# Allegro board SG2042_EVB_V2_0.brd (continued)
## Routing (per net, layer and track width the routed paths; a pad name or vN(x,y) marks a point on that pad's centre or on a via; arc(x,y) is an arc through that point) (continued)
  TOP w0.173: U1.F9 v1(96.75,244.05)
  ART10 w0.135: v1(96.75,244.05) 97.25,244.55 97.25,247.33 94.04,250.54 78.01,250.54 77.87,250.41 77.87,249.75 77.74,249.61 77.32,249.61 77.19,249.75 77.19,250.41 77.05,250.54 76.64,250.54 76.5,250.41 76.5,249.75 76.37,249.61 75.95,249.61 75.81,249.75 75.81,250.41 75.68,250.54 75.26,250.54 75.13,250.41 75.13,249.75 74.99,249.61 74.58,249.61 74.44,249.75 74.44,250.41 74.31,250.54 73.89,250.54 73.76,250.41 73.76,249.75 73.62,249.61 73.21,249.61 73.07,249.75 73.07,250.41 72.94,250.54 72.52,250.54 72.39,250.41 72.39,249.75 72.25,249.61 71.83,249.61 71.7,249.75 71.7,250.41 71.57,250.54 70.29,250.54 67.05,253.78 J4.181
DDR3_DQ30: length 45.3
  TOP w0.173: U1.E8 v1(95.75,245.05)
  ART12 w0.135: J4.43 62.47,248.68 arc(63.02,248.57) 63.48,248.26 63.55,248.19 arc(63.95,247.92) 64.42,247.83 64.45,247.83 arc(64.92,247.92) 65.32,248.19 65.59,248.45 arc(65.84,248.62) 66.13,248.67 67.15,248.67 69.68,246.15 78.99,246.15 79.13,246.01 79.13,245.22 79.26,245.08 79.68,245.08 79.81,245.22 79.81,246.01 79.95,246.15 80.36,246.15 80.5,246.01 80.5,245.22 80.63,245.08 81.05,245.08 81.18,245.22 81.18,246.01 81.32,246.15 81.73,246.15 81.87,246.01 81.87,245.22 82,245.08 82.42,245.08 82.55,245.22 82.55,246.01 82.69,246.15 91.37,246.15 92.25,245.27 92.25,244.83 92.53,244.55 92.99,244.55 93.25,244.29 93.25,243.83 93.53,243.55 94.96,243.55 95.25,243.84 95.25,244.55 v1(95.75,245.05)
DDR3_DQ31: length 46.4
  TOP w0.173: U1.E9 v1(96.75,245.05)
  ART12 w0.135: v1(96.75,245.05) 96.25,244.55 96.25,242.83 95.97,242.55 92.53,242.55 92.25,242.83 92.25,243.28 91.98,243.55 91.25,243.55 90.5,244.3 78.3,244.3 78.16,244.43 78.16,245.38 78.03,245.52 77.61,245.52 77.48,245.38 77.48,244.43 77.34,244.3 76.93,244.3 76.79,244.43 76.79,245.38 76.66,245.52 76.24,245.52 76.11,245.38 76.11,244.43 75.97,244.3 75.55,244.3 75.42,244.43 75.42,245.38 75.28,245.52 74.87,245.52 74.73,245.38 74.73,244.43 74.6,244.3 74.18,244.3 74.05,244.43 74.05,245.38 73.91,245.52 73.5,245.52 73.36,245.38 73.36,244.43 73.23,244.3 72.81,244.3 72.68,244.43 72.68,245.38 72.54,245.52 72.13,245.52 71.99,245.38 71.99,244.43 71.86,244.3 70.61,244.3 67.08,247.83 J4.188
DDR3_DQ32: length 58.3
  TOP w0.173: U1.T1 88.39,234.41 83.45,234.41 75.32,226.28 75.32,207.71 70.09,202.48 70.09,201.28 69.64,200.83 69.39,200.83 69.11,201.12 68.86,201.12 68.56,200.81 68.56,200.57 68.84,200.28 68.84,200.04 68.54,199.73 68.3,199.73 68.01,200.02 67.76,200.02 67.46,199.71 67.46,199.47 67.75,199.18 67.75,198.94 66.53,197.72 66.12,197.72 arc(65.79,197.79) 65.51,197.97 65.32,198.17 arc(64.92,198.43) 64.45,198.52 64.42,198.52 arc(63.95,198.43) 63.55,198.17 63.47,198.09 arc(63.02,197.78) 62.48,197.67 J4.97
DDR3_DQ33: length 58.4
  TOP w0.173: U1.U1 88.17,233.63 83.77,233.63 76.1,225.96 76.1,205.72 75.55,205.17 75.3,205.17 74.71,205.76 74.47,205.76 74.16,205.46 74.16,205.21 74.75,204.62 74.75,204.38 74.45,204.07 74.2,204.07 73.61,204.66 73.37,204.66 73.06,204.36 73.06,204.11 73.65,203.52 73.65,203.28 73.35,202.97 73.1,202.97 72.51,203.56 72.27,203.56 71.97,203.26 71.97,203.01 72.56,202.42 72.56,202.18 72.25,201.87 72.01,201.87 71.42,202.46 71.17,202.46 70.87,202.16 70.87,201.91 71.46,201.32 71.46,201.08 67.51,197.14 66.94,197.14 arc(66.84,197.13) 66.74,197.12 arc(66.44,197.01) J4.242
DDR3_DQ34: length 63.6
  TOP w0.173: U1.T2 v1(89.75,234.05)
  ART03 w0.15: v1(89.75,234.05) 92.25,231.55 92.25,229.84 91.96,229.55 89.56,229.55 89.1,229.08 88.37,229.08 88.24,229.21 83.92,229.21 79.32,224.61 79.32,204.05 67.84,192.57 66.25,192.57 arc(65.84,192.49) 65.5,192.26 65.38,192.14 arc(64.92,191.83) 64.38,191.73 J4.104
DDR3_DQ35: length 63.4
  TOP w0.173: U1.T4 v1(91.75,234.05)
  ART03 w0.15: J4.249 67.08,190.88 79.98,203.78 79.98,224.34 84.19,228.55 92.97,228.55 93.25,228.84 93.25,233.27 92.97,233.55 U1.T4 v1(91.75,234.05)
DDR3_DQ36: length 62.7
  TOP w0.173: U1.W4 v1(91.75,230.05)
  ART03 w0.15: v1(91.75,230.05) 91.25,230.55 89.65,230.55 89.14,231.06 88.06,231.06 87.82,230.82 80.46,230.82 75.75,226.12 75.75,206.63 73.07,203.95 72.86,203.95 72.46,204.35 72.24,204.35 71.94,204.05 71.94,203.84 72.34,203.43 72.34,203.22 72.04,202.92 71.83,202.92 71.43,203.32 71.22,203.32 70.91,203.02 70.91,202.81 71.32,202.4 71.32,202.19 71.01,201.89 70.8,201.89 70.4,202.29 70.19,202.29 69.88,201.99 69.88,201.78 70.29,201.37 70.29,201.16 69.98,200.86 69.77,200.86 69.37,201.26 69.16,201.26 68.85,200.96 68.85,200.75 69.26,200.34 69.26,200.13 68.5,199.38 66.3,199.38 arc(65.85,199.47) 65.46,199.72 65.32,199.86 arc(64.92,200.13) 64.45,200.22 64.42,200.22 arc(63.95,200.13) 63.55,199.86 63.48,199.79 arc(63.02,199.48) 62.48,199.38 J4.95
DDR3_DQ37: length 62.8
  TOP w0.173: U1.Y3 v1(90.75,230.05)
  ART03 w0.15: J4.240 68.58,198.53 69.24,199.18 69.45,199.18 70.28,198.35 70.49,198.35 70.79,198.66 70.79,198.87 69.96,199.69 69.96,199.91 70.27,200.21 70.48,200.21 71.31,199.38 71.52,199.38 71.82,199.68 71.82,199.9 70.99,200.72 70.99,200.94 71.3,201.24 71.51,201.24 72.34,200.41 72.55,200.41 72.85,200.71 72.85,200.93 72.02,201.75 72.02,201.96 72.33,202.27 72.54,202.27 73.36,201.44 73.58,201.44 73.88,201.74 73.88,201.95 73.05,202.78 73.05,202.99 73.35,203.3 73.57,203.3 74.39,202.47 74.61,202.47 74.91,202.77 74.91,202.98 74.08,203.81 74.08,204.02 76.41,206.35 76.41,225.84 80.73,230.16 87.87,230.16 87.98,230.05 v1(90.75,230.05)
DDR3_DQ38: length 68.3
  TOP w0.173: J4.102 63.79,192.02 arc(64.12,191.8) 64.51,191.73 64.54,191.73 arc(64.93,191.65) 65.26,191.43 65.53,191.16 arc(65.84,190.95) 66.21,190.87 69.7,190.87 70.17,191.34 70.17,191.59 69.38,192.38 69.38,192.62 69.69,192.93 69.93,192.93 70.72,192.14 70.96,192.14 71.27,192.44 71.27,192.69 70.48,193.48 70.48,193.72 70.78,194.03 71.03,194.03 71.82,193.24 72.06,193.24 72.37,193.54 72.37,193.79 71.58,194.57 71.58,194.82 71.88,195.12 72.13,195.12 72.92,194.34 73.16,194.34 73.47,194.64 73.47,194.89 72.68,195.67 72.68,195.92 72.98,196.22 73.23,196.22 74.02,195.44 74.26,195.44 80.44,201.61 80.44,224.16 85.57,229.29 87.55,229.29 87.84,229 89.7,229 U1.Y2
DDR3_DQ39: length 67.6
  TOP w0.173: J4.247 67.99,192.58 73.08,197.66 73.32,197.66 74.23,196.75 74.48,196.75 74.78,197.06 74.78,197.3 73.87,198.21 73.87,198.46 74.17,198.76 74.42,198.76 75.33,197.85 75.57,197.85 75.88,198.16 75.88,198.4 74.97,199.31 74.97,199.56 75.27,199.86 75.52,199.86 76.43,198.95 76.67,198.95 76.98,199.25 76.98,199.5 76.07,200.41 76.07,200.65 76.37,200.96 76.62,200.96 77.53,200.05 77.77,200.05 78.08,200.35 78.08,200.6 77.17,201.51 77.17,201.75 77.47,202.06 77.72,202.06 78.63,201.15 78.87,201.15 79.18,201.45 79.18,201.7 78.27,202.61 78.27,202.85 79.66,204.25 79.66,224.48 85.24,230.07 89.77,230.07 U1.W2
DDR3_DQ40: length 65.4
  TOP w0.173: J4.108 64.38,188.32 arc(64.92,188.43) 65.37,188.74 65.43,188.79 arc(65.85,189.08) 66.35,189.17 69.46,189.17 75.42,195.13 75.67,195.13 76.19,194.61 76.43,194.61 76.74,194.92 76.74,195.16 76.22,195.68 76.22,195.93 76.52,196.23 76.77,196.23 77.29,195.71 77.53,195.71 77.84,196.02 77.84,196.26 77.32,196.78 77.32,197.03 77.62,197.33 77.87,197.33 78.39,196.81 78.63,196.81 78.94,197.12 78.94,197.36 78.42,197.88 78.42,198.13 78.72,198.43 78.97,198.43 79.49,197.91 79.73,197.91 80.03,198.22 80.03,198.46 79.52,198.98 79.52,199.23 79.82,199.53 80.07,199.53 80.58,199.01 80.83,199.01 81.13,199.32 81.13,199.56 80.62,200.08 80.62,200.33 81.47,201.18 81.47,223.73 85.99,228.25 87.38,228.25 87.67,228.55 U1.AA1
DDR3_DQ41: length 65.6
  TOP w0.173: U1.AA2 89.76,228.06 87.95,228.06 87.37,227.48 86.32,227.48 82.25,223.41 82.25,199.33 76.2,193.28 75.95,193.28 75.43,193.8 75.19,193.8 74.88,193.49 74.88,193.25 75.4,192.73 75.4,192.49 75.1,192.18 74.85,192.18 74.33,192.7 74.09,192.7 73.78,192.39 73.78,192.15 74.3,191.63 74.3,191.39 74,191.08 73.75,191.08 73.24,191.6 72.99,191.6 72.69,191.3 72.69,191.05 73.2,190.53 73.2,190.29 72.9,189.98 72.65,189.98 72.14,190.5 71.89,190.5 71.59,190.2 71.59,189.95 72.11,189.43 72.11,189.19 71.8,188.88 71.56,188.88 71.04,189.4 70.79,189.4 70.49,189.1 70.49,188.85 71.01,188.33 71.01,188.09 70.39,187.48 J4.253
DDR3_DQ42: length 64.2
  TOP w0.173: U1.AD4 v1(91.75,225.05)
  ART03 w0.15: v1(91.75,225.05) 91.25,224.55 91.25,223.84 90.96,223.55 86.95,223.55 85.45,222.05 85.45,198.21 69.62,182.38 66.4,182.38 arc(65.86,182.48) 65.4,182.79 65.32,182.86 arc(64.92,183.13) 64.45,183.22 64.42,183.22 arc(63.95,183.13) 63.55,182.86 63.48,182.79 arc(63.02,182.48) 62.48,182.38 J4.115
DDR3_DQ43: length 63.3
  TOP w0.173: U1.AA4 v1(91.75,228.05)
  ART03 w0.15: v1(91.75,228.05) 92.25,227.55 92.25,222.83 91.97,222.55 86.89,222.55 86.11,221.77 86.11,197.93 69.7,181.53 J4.260
DDR3_DQ44: length 67
  TOP w0.173: U1.AB1 v1(88.82,227.55)
  ART03 w0.15: v1(88.82,227.55) 85.88,227.55 81.9,223.58 81.9,199.46 77.36,194.92 77.15,194.92 76.54,195.53 76.33,195.53 76.02,195.23 76.02,195.01 76.64,194.4 76.64,194.19 76.33,193.89 76.12,193.89 75.51,194.5 75.3,194.5 74.99,194.2 74.99,193.98 75.61,193.37 75.61,193.16 75.3,192.86 75.09,192.86 74.48,193.47 74.27,193.47 73.97,193.17 73.97,192.96 74.58,192.34 74.58,192.13 74.27,191.83 74.06,191.83 73.45,192.44 73.24,192.44 72.94,192.14 72.94,191.93 73.55,191.31 73.55,191.1 73.25,190.8 73.03,190.8 72.42,191.41 72.21,191.41 71.91,191.11 71.91,190.9 72.52,190.28 72.52,190.07 71.62,189.17 66.18,189.17 arc(65.84,189.24) 65.55,189.43 65.38,189.61 arc(64.92,189.92) 64.38,190.03 J4.106
DDR3_DQ45: length 70.4
  TOP w0.173: U1.AE3 v1(90.75,224.05)
  ART03 w0.15: v1(90.75,224.05) 89.75,225.05 84.31,225.05 82.56,223.31 82.56,199.18 76.33,192.95 76.33,192.74 77.13,191.94 77.13,191.73 76.82,191.43 76.61,191.43 75.82,192.23 75.61,192.23 75.3,191.92 75.3,191.71 76.1,190.91 76.1,190.7 75.8,190.4 75.58,190.4 74.79,191.2 74.58,191.2 74.27,190.89 74.27,190.68 75.07,189.89 75.07,189.67 74.77,189.37 74.55,189.37 73.76,190.17 73.55,190.17 73.24,189.86 73.24,189.65 74.04,188.86 74.04,188.64 73.74,188.34 73.53,188.34 72.73,189.14 72.52,189.14 72.21,188.83 72.21,188.62 73.01,187.83 73.01,187.62 72.71,187.31 72.5,187.31 71.7,188.11 71.49,188.11 70.86,187.48 66.16,187.48 arc(65.84,187.54) 65.56,187.73 64.92,188.36 arc(64.67,188.74) J4.251
DDR3_DQ46: length 75.5
  TOP w0.173: J4.113 62.48,184.08 arc(63.02,183.97) 63.47,183.66 63.55,183.58 arc(63.95,183.32) 64.42,183.22 64.45,183.22 arc(64.92,183.13) 65.32,182.87 65.59,182.6 arc(65.84,182.43) 66.12,182.38 66.32,182.38 arc(66.46,182.35) 66.58,182.27 66.64,182.21 arc(66.68,182.17) 66.74,182.15 arc(66.77,182.14) 66.81,182.14 71.19,182.14 74.82,185.76 77.67,185.76 83.63,191.72 83.63,191.97 82.45,193.15 82.45,193.39 82.75,193.7 83,193.7 84.18,192.52 84.42,192.52 84.73,192.82 84.73,193.07 83.55,194.25 83.55,194.49 83.85,194.8 84.1,194.8 85.28,193.62 85.52,193.62 85.83,193.92 85.83,194.17 84.64,195.35 84.64,195.59 84.95,195.9 85.19,195.9 86.38,194.72 86.62,194.72 86.93,195.02 86.93,195.27 85.74,196.45 85.74,196.69 86.59,197.54 86.59,221.61 88.19,223.21 88.19,223.6 88.61,224.02 89.72,224.02 U1.AE2
DDR3_DQ47: length 74.2
  TOP w0.173: U1.AD2 89.76,225.06 88.61,225.06 87.55,224 87.55,223.68 85.81,221.93 85.81,197.86 81.01,193.06 81.01,192.82 82.2,191.63 82.2,191.39 81.89,191.09 81.65,191.09 80.46,192.27 80.22,192.27 79.91,191.96 79.91,191.72 81.1,190.54 81.1,190.29 80.79,189.99 80.55,189.99 79.37,191.17 79.12,191.17 78.82,190.86 78.82,190.62 80,189.44 80,189.19 79.69,188.89 79.45,188.89 78.27,190.07 78.02,190.07 77.72,189.76 77.72,189.52 78.9,188.34 78.9,188.09 78.59,187.79 78.35,187.79 77.17,188.97 76.92,188.97 76.62,188.66 76.62,188.42 77.8,187.24 77.8,186.99 77.49,186.69 77.25,186.69 76.07,187.87 75.82,187.87 70.87,182.91 66.94,182.91 arc(66.84,182.92) 66.74,182.93 arc(66.44,183.04) 66.19,183.22 J4.258
DDR3_DQ48: length 81.5
  TOP w0.173: U1.T5 v1(92.75,234.05)
  ART10 w0.135: J4.119 62.47,178.98 arc(63.02,179.08) 63.48,179.39 63.55,179.46 arc(63.95,179.73) 64.42,179.82 64.45,179.82 arc(64.92,179.73) 65.32,179.46 65.46,179.33 arc(65.83,179.08) 66.26,179 67.47,179 67.79,179.32 67.79,186.49 68.58,187.28 68.58,187.47 68.28,187.77 68.28,187.96 68.57,188.26 68.76,188.26 69.07,187.95 69.26,187.95 69.55,188.25 69.55,188.44 69.25,188.74 69.25,188.93 69.54,189.23 69.73,189.23 70.04,188.92 70.23,188.92 70.52,189.22 70.52,189.41 70.22,189.71 70.22,189.9 70.51,190.2 70.7,190.2 71.01,189.89 71.2,189.89 77.01,195.7 77.01,226.41 84.29,233.69 89.29,233.69 89.44,233.55 91.86,233.55 92.36,234.05 v1(92.75,234.05)
DDR3_DQ49: length 82.8
  TOP w0.173: U1.T6 v1(93.75,234.05)
  ART10 w0.135: v1(93.75,234.05) 93.27,233.57 92.44,233.57 92.02,233.15 90.49,233.15 89.96,232.61 89.53,232.61 89.09,233.06 84.55,233.06 77.64,226.15 77.64,193.69 76.92,192.98 76.73,192.98 76.26,193.45 76.07,193.45 75.78,193.15 75.78,192.96 76.25,192.49 76.25,192.3 75.95,192.01 75.76,192.01 75.29,192.48 75.1,192.48 74.81,192.18 74.81,191.99 75.28,191.52 75.28,191.33 74.98,191.04 74.79,191.04 74.32,191.51 74.13,191.51 73.84,191.21 73.84,191.02 74.31,190.55 74.31,190.36 74.01,190.07 73.82,190.07 73.35,190.54 73.16,190.54 72.87,190.24 72.87,190.05 73.34,189.58 73.34,189.39 73.04,189.1 72.85,189.1 72.38,189.57 72.19,189.57 71.9,189.27 71.9,189.08 72.37,188.61 72.37,188.42 71.72,187.77 69.97,187.77 68.42,186.23 68.42,179.06 67.73,178.37 66.43,178.37 J4.264
DDR3_DQ50: length 87.3
  TOP w0.173: U1.T8 v1(95.75,234.05)
  ART12 w0.135: J4.126 64.37,173.03 arc(64.92,173.13) 65.38,173.44 65.4,173.46 arc(65.86,173.77) 66.39,173.87 77.9,173.87 83.22,179.19 83.22,224.67 88.6,230.05 89.54,230.05 90.04,230.55 93.97,230.55 94.25,230.83 94.25,233.26 94.54,233.55 95.25,233.55 v1(95.75,234.05)
DDR3_DQ51: length 84.7
  TOP w0.173: U1.W8 v1(95.75,231.05)
  ART12 w0.135: J4.271 67.68,172.18 67.81,172.31 67.81,173.11 67.95,173.25 68.36,173.25 68.5,173.11 68.5,172.31 68.63,172.18 77.09,172.18 83.85,178.93 83.85,223.7 89.7,229.55 94.98,229.55 95.25,229.82 95.25,230.55 v1(95.75,231.05)
DDR3_DQ52: length 85.9
  TOP w0.173: U1.U5 v1(92.75,233.05)
  ART12 w0.135: J4.117 62.47,180.68 arc(63.02,180.78) 63.48,181.09 63.55,181.16 arc(63.95,181.43) 64.42,181.52 64.45,181.52 arc(64.92,181.43) 65.32,181.16 65.4,181.09 arc(65.86,180.78) 66.4,180.68 67.53,180.68 67.67,180.81 67.67,181.25 67.8,181.38 68.22,181.38 68.35,181.25 68.35,180.81 68.49,180.68 69.57,180.68 73.54,176.71 78.5,176.71 81.64,179.85 81.64,225.32 87.25,230.93 88.87,232.55 92.25,232.55 v1(92.75,233.05)
DDR3_DQ53: length 89.2
  TOP w0.173: U1.W6 v1(93.75,231.05)
  ART12 w0.135: v1(93.75,231.05) 93.25,231.55 88.76,231.55 82.27,225.06 82.27,179.58 78.76,176.07 73.28,176.07 71.95,177.4 71.76,177.4 70.72,176.36 70.52,176.36 70.23,176.66 70.23,176.85 71.27,177.89 71.27,178.08 70.98,178.38 70.79,178.38 69.74,177.33 69.55,177.33 69.26,177.63 69.26,177.82 70.3,178.86 70.3,179.05 70.01,179.35 69.82,179.35 68.77,178.3 68.58,178.3 68.29,178.6 68.29,178.79 69.03,179.53 69.03,179.72 68.73,180.01 68.54,180.01 67.8,179.27 67.61,179.27 67.06,179.83 J4.262
DDR3_DQ54: length 88
  TOP w0.173: U1.Y5 v1(92.75,230.05)
  ART10 w0.135: J4.124 64.37,174.73 arc(64.92,174.62) 65.38,174.31 65.4,174.29 arc(65.86,173.98) 66.4,173.87 67.99,173.87 71.78,177.66 71.78,183.09 75.49,186.8 75.68,186.8 76.37,186.11 76.56,186.11 76.86,186.41 76.86,186.6 76.17,187.29 76.17,187.48 76.46,187.77 76.65,187.77 77.34,187.08 77.53,187.08 77.83,187.38 77.83,187.57 77.14,188.26 77.14,188.45 77.43,188.75 77.62,188.75 78.31,188.05 78.5,188.05 78.8,188.35 78.8,188.54 78.11,189.23 78.11,189.42 78.4,189.72 78.59,189.72 79.28,189.03 79.47,189.03 79.77,189.32 79.77,189.51 79.08,190.2 79.08,190.39 79.38,190.69 79.56,190.69 80.25,190 80.44,190 80.74,190.29 80.74,190.48 80.05,191.17 80.05,191.36 80.99,192.3 80.99,224.76 85.94,229.71 88.25,229.71 88.6,230.05 90.04,230.05 90.54,230.55 92.25,230.55 v1(92.75,230.05)
DDR3_DQ55: length 89.6
  TOP w0.173: U1.Y7 v1(94.75,230.05)
  ART10 w0.135: v1(94.75,230.05) 94.25,229.55 90.54,229.55 90.07,229.08 86.2,229.08 81.62,224.5 81.62,190.28 81.09,189.75 81.09,189.56 81.62,189.03 81.62,188.84 81.33,188.54 81.14,188.54 80.6,189.07 80.41,189.07 80.12,188.78 80.12,188.59 81.31,187.39 81.31,187.2 81.02,186.91 80.83,186.91 79.63,188.1 79.44,188.1 79.15,187.81 79.15,187.62 80.34,186.42 80.34,186.23 80.05,185.94 79.86,185.94 78.66,187.13 78.47,187.13 78.18,186.84 78.18,186.65 78.71,186.11 78.71,185.92 78.42,185.63 78.23,185.63 77.69,186.16 77.5,186.16 76.82,185.48 75.06,185.48 72.41,182.83 72.41,177.4 67.18,172.17 66.13,172.17 arc(65.84,172.23) 65.58,172.4 64.92,173.06 arc(64.67,173.44) J4.269
DDR3_DQ56: length 87
  TOP w0.173: U1.AA5 v1(92.75,228.05)
  ART10 w0.135: J4.130 64.37,169.63 arc(64.92,169.73) 65.38,170.04 65.57,170.23 arc(65.84,170.41) 66.16,170.47 70.32,170.47 70.95,171.11 70.95,171.3 70.5,171.76 70.5,171.95 70.79,172.24 70.98,172.24 71.44,171.78 71.63,171.78 71.92,172.08 71.92,172.27 71.47,172.73 71.47,172.92 71.76,173.21 71.95,173.21 72.41,172.75 72.6,172.75 72.89,173.05 72.89,173.24 72.44,173.7 72.44,173.89 72.73,174.18 72.92,174.18 73.38,173.72 73.57,173.72 73.86,174.02 73.86,174.21 73.41,174.67 73.41,174.86 73.7,175.15 73.89,175.15 74.35,174.69 74.54,174.69 76.57,176.72 78.55,176.72 82.57,180.74 82.57,224.11 86.98,228.52 92.28,228.52 v1(92.75,228.05)
DDR3_DQ57: length 88.3
  TOP w0.173: U1.AA6 v1(93.75,228.05)
  ART10 w0.135: J4.275 69.51,168.78 73.91,173.17 73.91,173.18 74.1,173.18 74.9,172.38 75.09,172.38 75.39,172.67 75.39,172.86 74.59,173.66 74.59,173.85 74.88,174.15 75.07,174.15 75.87,173.35 76.06,173.35 76.36,173.64 76.36,173.83 75.56,174.63 75.56,174.82 75.85,175.12 76.04,175.12 76.84,174.32 77.03,174.32 77.33,174.61 77.33,174.8 76.53,175.6 76.53,175.79 76.82,176.09 77.01,176.09 77.81,175.29 78,175.29 83.2,180.48 83.2,223.84 87.4,228.05 89.54,228.05 90.04,227.55 93.25,227.55 v1(93.75,228.05)
DDR3_DQ58: length 90.4
  TOP w0.173: U1.AA8 v1(95.75,228.05)
  ART12 w0.135: J4.137 62.47,163.68 arc(63.02,163.78) 63.48,164.09 63.55,164.16 arc(63.95,164.43) 64.42,164.52 64.45,164.52 arc(64.92,164.43) 65.32,164.16 65.44,164.04 arc(65.85,163.77) 66.33,163.68 67.08,163.68 69.54,166.14 74.62,166.14 86.37,177.89 86.37,221.58 88.34,223.55 93.96,223.55 94.25,223.84 94.25,227.27 94.53,227.55 95.25,227.55 v1(95.75,228.05)
DDR3_DQ59: length 92.2
  TOP w0.173: U1.AD8 v1(95.75,225.05)
  ART12 w0.135: v1(95.75,225.05) 95.25,224.55 95.25,222.84 94.96,222.55 88.23,222.55 87,221.32 87,178.15 87,177.63 74.88,165.51 74.09,165.51 73.96,165.37 73.96,164.5 73.82,164.36 73.4,164.36 73.27,164.5 73.27,165.37 73.13,165.51 72.72,165.51 72.58,165.37 72.58,164.5 72.45,164.36 72.03,164.36 71.9,164.5 71.9,165.37 71.76,165.51 71.35,165.51 71.21,165.37 71.21,164.5 71.08,164.36 70.66,164.36 70.53,164.5 70.53,165.37 70.39,165.51 69.8,165.51 69.21,164.91 69.21,164.72 69.78,164.15 69.78,163.96 69.48,163.67 69.29,163.67 68.72,164.24 68.53,164.24 68.24,163.94 68.24,163.75 68.81,163.18 68.81,162.99 68.51,162.7 68.32,162.7 67.75,163.27 67.56,163.27 67.13,162.83 66.19,162.83 J4.282
DDR3_DQ60: length 92.8
  TOP w0.173: U1.AB5 v1(92.75,227.05)
  ART12 w0.135: J4.128 64.37,171.33 arc(64.92,171.22) 65.38,170.91 65.52,170.76 arc(65.84,170.55) 66.22,170.47 67.07,170.47 67.83,171.23 68.48,171.23 68.61,171.1 68.61,169.96 68.75,169.82 69.16,169.82 69.3,169.96 69.3,171.1 69.43,171.23 69.85,171.23 69.98,171.1 69.98,169.96 70.12,169.82 70.53,169.82 70.67,169.96 70.67,171.1 70.8,171.23 71.22,171.23 71.35,171.1 71.35,169.96 71.49,169.82 71.91,169.82 72.04,169.96 72.04,171.1 72.17,171.23 72.59,171.23 72.73,171.1 72.73,169.96 72.86,169.82 73.28,169.82 73.41,169.96 73.41,171.1 73.55,171.23 73.96,171.23 74.1,171.1 74.1,169.96 74.23,169.82 74.65,169.82 74.78,169.96 74.78,171.1 74.92,171.23 77.48,171.23 84.79,178.54 84.79,222.23 89.61,227.05 v1(92.75,227.05)
DDR3_DQ61: length 94
  TOP w0.173: U1.AE5 v1(92.75,224.05)
  ART12 w0.135: v1(92.75,224.05) 92.25,224.55 90.04,224.55 89.56,224.07 87.52,224.07 85.42,221.97 85.42,178.28 75.92,168.77 74.17,168.77 74.03,168.64 74.03,167.22 73.9,167.08 73.48,167.08 73.35,167.22 73.35,168.64 73.21,168.77 72.8,168.77 72.66,168.64 72.66,167.22 72.53,167.08 72.11,167.08 71.98,167.22 71.98,168.64 71.84,168.77 71.42,168.77 71.29,168.64 71.29,167.22 71.16,167.08 70.74,167.08 70.6,167.22 70.6,168.64 70.47,168.77 70.05,168.77 69.92,168.64 69.92,167.22 69.78,167.08 69.37,167.08 69.23,167.22 69.23,168.64 69.1,168.77 68.68,168.77 68.55,168.64 68.55,167.22 68.41,167.08 68,167.08 67.86,167.22 67.86,168.64 67.73,168.77 66.29,168.77 arc(65.85,168.86) 65.47,169.12 64.92,169.66 arc(64.67,170.04) J4.273
DDR3_DQ62: length 96.2
  TOP w0.173: U1.AE7 v1(94.75,224.05)
  ART10 w0.135: v1(94.75,224.05) 94.25,223.55 88.54,223.55 87.18,222.19 87.18,178.83 83.53,175.18 83.53,174.99 84.22,174.3 84.22,174.11 83.93,173.82 83.74,173.82 83.05,174.5 82.86,174.5 82.56,174.21 82.56,174.02 83.25,173.33 83.25,173.14 82.96,172.84 82.77,172.84 82.08,173.53 81.89,173.53 81.59,173.24 81.59,173.05 82.28,172.36 82.28,172.17 81.99,171.87 81.8,171.87 81.11,172.56 80.92,172.56 80.62,172.27 80.62,172.08 81.31,171.39 81.31,171.2 81.02,170.9 80.82,170.9 80.14,171.59 79.94,171.59 79.65,171.3 79.65,171.11 80.52,170.24 80.52,170.05 74.12,163.65 66.43,163.65 arc(65.88,163.76) 65.41,164.08 65.32,164.16 arc(64.92,164.43) 64.45,164.52 64.42,164.52 arc(63.95,164.62) 63.55,164.89 63.48,164.96 arc(63.02,165.27) 62.47,165.38 J4.135
DDR3_DQ63: length 95
  TOP w0.173: U1.AD6 v1(93.75,225.05)
  ART10 w0.135: J4.280 66.43,164.28 71.74,164.28 72.92,165.46 73.11,165.46 73.98,164.6 74.17,164.6 74.47,164.89 74.47,165.08 73.6,165.95 73.6,166.14 73.89,166.43 74.08,166.43 74.95,165.57 75.14,165.57 75.44,165.86 75.44,166.05 74.57,166.92 74.57,167.11 74.86,167.4 75.05,167.4 75.92,166.54 76.11,166.54 76.41,166.83 76.41,167.02 75.54,167.89 75.54,168.08 75.83,168.37 76.02,168.37 76.89,167.51 77.08,167.51 77.38,167.8 77.38,167.99 76.51,168.86 76.51,169.05 76.8,169.35 76.99,169.35 77.86,168.48 78.05,168.48 78.35,168.77 78.35,168.96 77.48,169.83 77.48,170.02 77.77,170.32 77.96,170.32 78.83,169.45 79.02,169.45 79.32,169.74 79.32,169.93 78.45,170.8 78.45,170.99 86.55,179.09 86.55,222.45 88.22,224.12 90.11,224.12 90.54,224.55 93.25,224.55 v1(93.75,225.05)
DDR3_DQS0_N: length 53.2
  TOP w0.109: U1.D11 99.44,245.55 99.86,245.96 99.86,250.26 99.88,250.28 99.88,250.38
  TOP w0.127: J4.152 65.69,278.16 arc(65.57,278.01) 65.59,277.82 65.6,277.8 arc(65.67,277.73) 65.76,277.7 73.06,277.7 82,268.77 83.86,268.77 99.88,252.75 99.88,250.38
DDR3_DQS0_P: length 53.1
  TOP w0.109: 99.62,250.38 99.62,250.37 99.64,250.35 99.64,248.29 99.58,248.23 99.52,248.17 99.52,247.93 99.58,247.87 99.64,247.81 99.64,247.29 99.58,247.23 99.52,247.17 99.52,246.93 99.58,246.87 99.64,246.81 99.64,246.05 99.52,245.93 99.36,245.93 99.25,246.04 U1.C11
  TOP w0.127: 99.62,250.38 99.62,252.64 83.75,268.51 81.89,268.51 72.96,277.45 65.76,277.45 arc(65.75,277.45) 65.74,277.45 65.71,277.45 arc(65.54,277.45) 65.37,277.47 J4.153
DDR3_DQS1_N: length 46.1
  TOP w0.109: U1.C6 94.25,246.04 94.36,245.93 94.53,245.93 94.64,246.05 94.64,246.8 94.58,246.87 94.52,246.93 94.52,247.17 94.58,247.23 94.64,247.3 94.64,247.8 94.58,247.87 94.52,247.93 94.52,248.17 94.58,248.23 94.64,248.3 94.64,249.09 94.62,249.11 94.62,249.14
  TOP w0.127: 94.62,249.14 94.62,249.41 89.39,254.64 74.09,254.64 70.34,258.39 70.34,263.74 66.83,267.25 66.19,267.25 arc(65.79,267.33) 65.45,267.55 65.11,267.9 arc(64.96,268.09) 64.85,268.31 J4.163
DDR3_DQS1_P: length 46.2
  TOP w0.109: 94.88,249.14 94.88,249.11 94.86,249.09 94.86,245.96 94.44,245.55 U1.D6
  TOP w0.127: 94.88,249.14 94.88,249.3 94.88,249.3 94.88,249.51 89.49,254.89 74.2,254.89 70.59,258.5 70.59,263.85 66.94,267.5 66.19,267.5 arc(65.89,267.56) 65.63,267.73 65.28,268.08 arc(65.2,268.25) 65.23,268.44 65.24,268.46 arc(65.38,268.57) 65.56,268.56 J4.164
DDR3_DQS2_N: length 45.5
  TOP w0.173: U1.E12 v1(100.75,245.05)
  ART10 w0.112: v1(100.75,245.05) 100.75,244.81 100.64,244.7 100.48,244.7 100.36,244.81 100.36,247.8 100.09,248.07 100.09,249.2 99.32,249.97 99.32,249.99 99.3,250.01
  ART10 w0.117: 99.3,250.01 95.19,254.11 73.85,254.11 68.96,259 65.82,259 arc(65.69,259.03) 65.59,259.13 65.57,259.17 arc(65.56,259.32) 65.66,259.44 J4.174
DDR3_DQS2_P: length 45.6
  TOP w0.173: U1.F12 v1(100.75,244.05)
  ART10 w0.112: v1(100.75,244.05) 100.75,244.36 100.64,244.47 100.39,244.47 100.14,244.72 100.14,247.7 99.87,247.97 99.87,249.11 99.16,249.81 99.15,249.81 99.13,249.83
  ART10 w0.117: J4.175 65.39,258.77 arc(65.54,258.76) 65.69,258.75 68.86,258.75 73.75,253.87 95.09,253.87 99.13,249.83
DDR3_DQS3_N: length 34.8
  TOP w0.173: U1.F7 v1(94.75,244.05)
  ART10 w0.112: 89.74,246.43 89.77,246.43 89.78,246.44 93.91,246.44 94.14,246.21 94.14,244.71 94.39,244.47 94.64,244.47 94.75,244.35 v1(94.75,244.05)
  ART10 w0.117: J4.185 64.88,249.54 arc(64.96,249.38) 65.07,249.25 65.48,248.84 arc(65.79,248.63) 66.16,248.55 67.53,248.55 69.65,246.43 89.74,246.43
DDR3_DQS3_P: length 34.7
  TOP w0.173: U1.E7 v1(94.75,245.05)
  ART10 w0.112: v1(94.75,245.05) 94.75,244.8 94.64,244.69 94.48,244.69 94.36,244.81 94.36,246.31 94.01,246.66 89.78,246.66 89.77,246.67 89.74,246.67
  ART10 w0.117: 89.74,246.67 69.76,246.67 67.63,248.8 66.16,248.8 arc(65.88,248.85) 65.65,249.01 65.26,249.4 arc(65.2,249.52) 65.22,249.66 65.28,249.78 arc(65.4,249.88) 65.55,249.86 J4.186
